# KiCad board analog_i.kicad_pcb (continued)
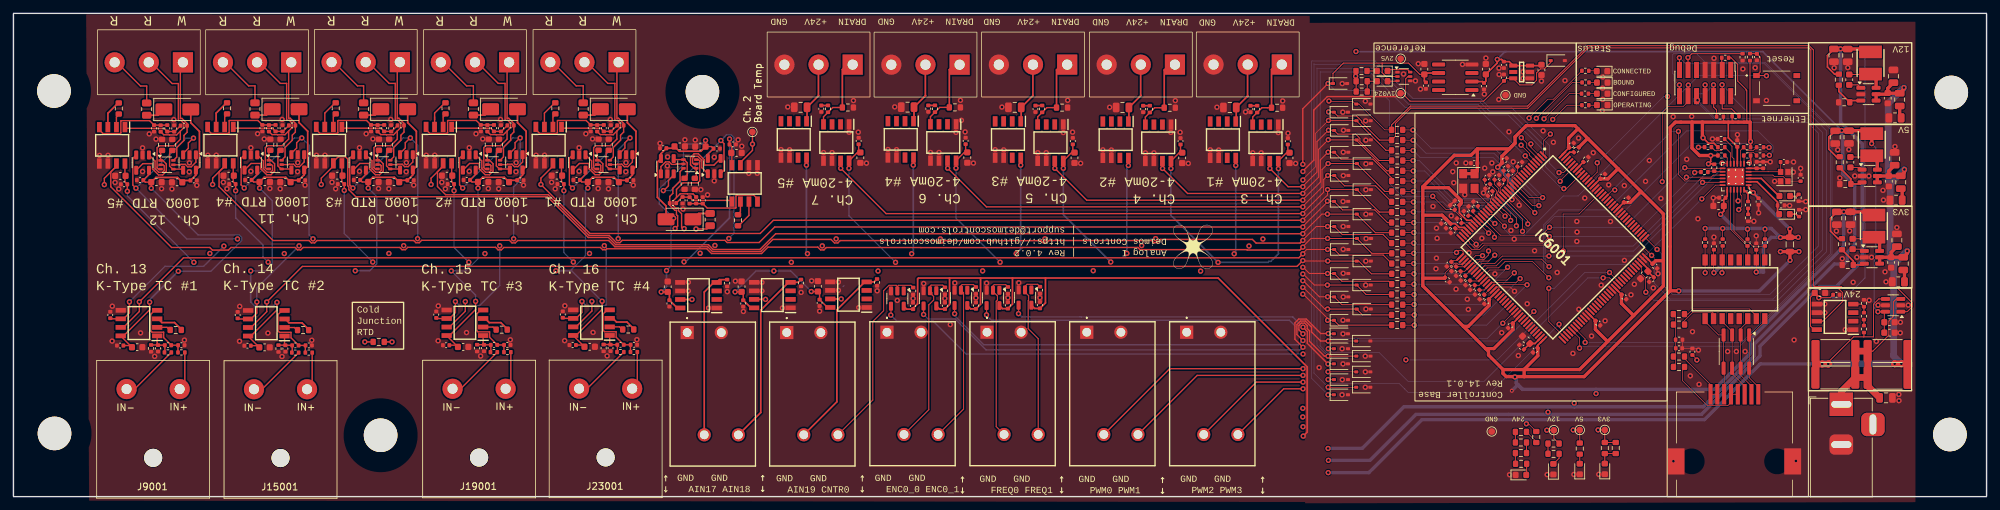
[diagram p0: board, top side]
## Routing (per net, layer and track width the routed paths; a pad name or vN(x,y) marks a point on that pad's centre or on a via; arc(x,y) is an arc through that point) (continued)
  Top w0.25: D13001.2 75,55.73 76.28,54.44 76.28,49.2 IC13003.5 75.76,47.94 74.95,47.13 74.01,47.13 73.73,46.86 73.02,47.58 69.81,47.58 C13006.2 ; R7029.2 199.77,63.4 199.77,62.72 v1(199.7,62.65) 199.77,62.57 R7030.2 ; R11003.1 271.23,50.65 270.1,51.78 ; U6002.2 218.59,61.85 C6048.2 219.07,61.92 C6049.2 220.77,64.62 v1(220.77,65.15) 220.78,65.14 221.42,65.14 C5009.2 222.55,64.82 IC5004.4 IC5004.3 227.21,64.22 C5012.2 ; D5001.2 91.34,55.73 92.62,54.44 92.62,49.2 IC5003.5 92.1,47.94 C5010.1 90.34,47.13 C5011.2 89.36,47.58 86.16,47.58 C5006.2 ; 96.49,30.5 96.5,30.5 C3006.2 97.6,30.25 C3005.2 98.77,28.1 IC3003.8 ; D25001.2 26.39,55.7 27.67,54.42 27.67,49.17 IC25003.5 27.15,47.92 C25010.1 25.39,47.11 C25011.2 24.41,47.56 21.2,47.56 C25006.2 ; D21001.2 42.5,55.73 43.78,54.44 43.78,49.2 IC21003.5 43.26,47.94 C21010.1 41.5,47.13 C21011.2 40.52,47.58 37.31,47.58 C21006.2 ; C17006.2 53.48,47.58 56.68,47.58 C17011.2 57.67,47.13 C17010.1 59.42,47.94 IC17003.5 59.95,49.2 59.95,54.44 58.66,55.73 D17001.2 ; IC3001.8 109.73,28.12 C3001.2 ; C4006.2 102.28,51.46 99.08,51.46 C4011.2 98.09,51.91 C4010.1 96.34,51.1 IC4003.5 95.81,49.84 95.81,44.6 97.1,43.31 D4001.2 ; C11011.1 270.1,53.55 ; 270.1,53.56 270.1,51.79
  Top w0.5: C11011.1 271.07,54.52 C11010.1 276.06,54.52 L11001.1 276.5,52.62 v1(276.47,52.6)
  In2.Cu w0.15: v1(232.22,13.92) 232.07,13.77 v1(232.07,9.92)
  In2.Cu w0.25: v1(199.7,62.65) 199.75,62.7 v1(199.75,66.32)
  In2.Cu w0.5: v1(195.6,7.17) 195.17,7.17 191.86,10.48
  In2.Cu w1: v1(191.87,10.41) 191.47,10.41 187.18,14.7 187.18,33.58 ; v1(24.53,33.58) 24.51,33.6 24.01,33.6 v1(176.63,33.6) 187.2,33.6
  Bottom w0.15: v1(276.47,52.6) 277.1,51.97 277.1,35.48 276.86,35.24 276.86,28.1 v1(277.41,27.55) ; 272.32,54.55 v1(272.02,54.55)
  Bottom w0.2: v1(87.59,29.11) 83.05,33.65 v1(80.71,33.65) 82.86,33.65 85.11,35.9 85.11,45.62 v1(85.46,45.97) ; v1(36.62,45.97) 38.5,44.09 38.5,34.61 37.52,33.63 v1(35.3,33.63) ; v1(52.78,45.97) 54.06,44.7 54.06,34.7 53.01,33.65 v1(50.86,33.65) ; v1(107.37,30.5) 110.48,33.62 v1(113.14,33.62) 115.65,33.62 v1(118.71,30.56) ; v1(68.76,29.09) 68.76,30.02 v1(65.15,33.63) 67.3,33.63 69.12,35.45 v1(69.12,45.97) ; v1(24.53,33.58) 29.38,33.58 33.94,38.14 33.94,38.64 33.59,38.99 27.47,38.99 v1(20.51,45.95) ; v1(97.17,33.68) 97.85,34.36 97.85,41.12 v1(98.22,41.49) 96.09,43.62 96.09,45.84 99.69,49.44 99.69,52.53 102.44,52.53 v1(102.97,53.06)
  Bottom w0.25: 199.72,66.27 199.77,66.32 v1(199.75,66.32) 199.75,66.3 222.07,66.3 ; v1(272.02,54.55) 260.27,66.3 222.07,66.3 ; 222.07,66.3 221.92,66.3 v1(220.77,65.15) ; v1(24.53,33.58) 20.26,29.31 v1(20.26,28.97) ; v1(97.17,33.68) 97.17,31.29 v1(96.38,30.5) ; v1(39.21,28.94) 38.64,28.37 35.95,28.37 35.3,29.02 v1(35.3,33.63)
  Bottom w0.5: v1(272.02,54.55) 272.02,53.52 272.17,53.37 272.17,48.12 273.95,46.34 273.95,37.5 272.85,36.4 272.85,35.15 272.35,34.65 270.92,34.65 259,22.72 259,20.95 251.42,13.37 232.22,13.37 ; 232.22,13.37 v1(232.22,13.92) ; 232.22,13.37 206.87,13.37 200.7,7.2 195.62,7.2 v1(195.6,7.17)
  vias: v1(128.64,33.61) v1(144.2,33.63) v1(160.66,33.66)
+12V: length 615.1
  Top w0.15: R7027.2 229.2,8.67 TP7001.1 v1(228.15,9.9) ; C8006.2 267.38,29.73 267.38,25.4 267.9,24.87 IC8001.8 ; C8006.2 268.18,30.35 v1(268.61,29.63) ; C8006.2 267.75,30.6 ; v1(268.61,29.63) 268.76,29.77 ; v1(268.61,29.63) 270.31,29.63 C8005.2
  Top w0.2: v1(16.95,45.5) 16.95,45.53 16.94,45.55 16.95,45.56 C25004.1 16.59,46.89 IC25001.8 ; v1(81.9,45.58) C5004.1 81.54,46.92 IC5001.8 ; 49.22,45.58 v1(49.22,45.62) C17004.1 48.86,46.92 IC17001.8 ; 106.54,53.46 C4004.1 106.89,52.12 IC4001.8 ; v1(33.05,45.58) C21004.1 32.7,46.92 IC21001.8 ; IC13001.8 65.2,46.92 C13004.1 v1(65.56,45.58) ; C18002.2 157.62,51.52 C18003.2 157.44,51.27 IC18001.8 v1(156.21,48.92) 156.2,48.93 ; C22002.2 141.67,51.55 C22003.2 141.49,51.3 IC22001.8 140.25,49.01 140.24,49 ; IC11001.8 189.43,51.25 C11003.2 189.61,51.5 C11002.2 ; 140.24,49 140.19,48.94 v1(140.24,48.94) 140.24,49 ; IC14001.8 173.46,51.25 C14003.2 173.64,51.5 C14002.2 ; 124.34,48.87 124.34,48.89 v1(124.31,48.92) 124.34,48.94 124.34,50.04 125.57,51.28 C26003.2 125.76,51.53 C26002.2
  Top w0.25: C12008.1 269.9,65.73 269.9,64.01 270.96,62.95 R12001.1
  Top w0.5: C12008.1 275.87,66.7 L12001.1
  In2.Cu w0.15: v1(228.32,12.57) 228.15,12.4 v1(228.15,9.9)
  In2.Cu w0.5: 191.82,11.94 192.09,11.94 196.35,7.68 196.35,6.1 v1(195.65,5.4)
  In2.Cu w1: 188.4,34.9 v1(179.23,34.9) 26.2,34.9 26.84,34.9 v1(26.85,34.91) ; 188.4,34.9 189.22,34.08 189.22,14.21 191.56,11.87 v1(191.83,11.87) ; 188.4,34.9 188.38,34.88
  Bottom w0.15: v1(268.61,29.63) 272.52,29.63 275.48,32.6 275.48,66.09 274.92,66.65 274.85,66.65 274.77,66.72 v1(271.85,66.72)
  Bottom w0.2: v1(37.9,34.93) 37.13,35.7 37.13,37.48 33.11,41.5 33.05,41.5 v1(33.05,45.58) ; v1(26.85,34.91) 16.95,44.81 v1(16.95,45.5) ; v1(83.31,34.95) 81.9,36.36 v1(81.9,45.58) ; v1(124.31,48.92) 124.31,41.84 v1(131.24,34.91) ; v1(65.56,45.58) 65.56,37.12 v1(67.75,34.93) ; v1(49.22,45.62) 49.22,39.19 v1(53.46,34.95) ; v1(146.8,34.93) 140.24,41.5 v1(140.24,48.94)
  Bottom w0.25: v1(99.77,34.98) 100.01,34.98 106.55,41.52 v1(106.55,53.3) ; v1(172.21,48.89) 172.21,41.92 v1(179.23,34.9) 186.65,34.9 186.8,35.05 187.07,35.05 188.21,36.19 v1(188.21,48.87) ; v1(156.21,48.92) 156.21,42.01 v1(163.26,34.96)
  Bottom w0.5: 195.6,5.42 195.62,5.4 v1(195.65,5.4) 201.82,5.4 208.67,12.25 228.37,12.25 ; 228.37,12.25 251.14,12.25 259.87,20.97 259.87,22.42 268.75,31.3 271.22,31.3 275.07,35.15 275.07,52.56 271.85,55.78 v1(271.85,66.72) ; 228.37,12.25 228.37,12.52 v1(228.32,12.57) 228.37,12.62 228.37,12.67
  vias: v1(115.74,34.92)
+24V: length 464.1
  Top w0.1: v1(225.11,10.85) 225.43,10.85 226.59,9.69
  Top w0.15: v1(270.02,19.77) 270.02,20.04 273.78,23.8 275.31,23.8 ; U8001.4 277.54,29.45 276.75,28.66 276.75,23.8 275.31,23.8 ; 275.31,23.8 275.33,23.83 R8006.1 275.17,24.3
  Top w0.25: 118.01,49.37 v1(117.98,49.39) IC32001.8 ; IC28001.8 133.92,49.43 v1(133.88,49.39) 133.92,49.36 133.92,49.25 133.91,49.25 ; v1(149.86,49.39) 149.86,49.42 149.87,49.44 149.87,49.48 149.86,49.5 149.87,49.5 IC24001.8 ; 165.91,49.39 165.89,49.41 165.89,49.6 165.91,49.62 165.89,49.64 IC20001.8
  Top w0.5: C12001.1 278.91,60.1 C12002.1 281.27,60.73 v1(281.27,60.95) 281.27,60.92 ; C12001.1 278.87,60.83 C12003.1 ; C12001.1 278.69,59.96 IC12001.5 IC12001.4 ; IC11002.4 IC11002.5 280.79,47.77 C11005.1 281.35,48.33 v1(281.35,48.75) ; C11006.1 279.03,48.52 C11004.1 ; 281.75,36.62 v1(281.77,36.6) 281.77,36.26 C10004.1 277.67,35.67 IC10001.5 IC10001.4 ; C10002.1 279.38,36.4 C10005.1
  Top w1: R8001.1 268.12,17.76 268.12,19.75 ; 270.12,19.75 270.05,19.75 v1(270.02,19.77) 270,19.75 269.15,19.75 v1(269.12,19.77) 269.1,19.75 268.12,19.75 ; R8002.1 281.81,19.77 ; 281.81,19.77 280.92,19.77 v1(280.9,19.8) 280.87,19.77 279.9,19.77 v1(279.9,19.8) 279.87,19.8 ; 281.81,19.77 R8004.1 ; 268.12,19.75 R8003.1
  In2.Cu w0.5: 191.83,13.22 196.95,8.1 196.95,4.9 v1(195.62,3.57)
  In2.Cu w1: v1(29.22,36.23) 29.17,36.18 28.52,36.18 v1(181.63,36.18) 189.81,36.18 190.6,35.39 190.6,14.39 v1(191.84,13.15)
  Bottom w0.15: 225.1,10.57 225.1,11.47
  Bottom w0.25: v1(181.86,49.34) 181.86,36.41 v1(181.63,36.18) ; v1(133.88,49.39) 133.88,36.44 v1(133.64,36.19) ; v1(149.86,49.39) 149.86,36.87 v1(149.2,36.21) ; v1(165.88,49.34) 165.66,49.12 v1(165.66,36.24) ; v1(117.98,49.39) 117.98,36.36 v1(118.14,36.2)
  Bottom w0.5: v1(195.62,3.57) 201.67,3.57 209.57,11.47 251.6,11.47 259.9,19.77 v1(269.12,19.77)
  Bottom w1: 279.73,34.56 279.73,20.96 v1(280.9,19.8) 269.15,19.8 v1(269.12,19.77) ; 279.73,34.56 v1(281.77,36.6) ; 279.73,34.56 279.22,35.07 279.22,43.77 279.25,43.8 279.25,46.65 ; 279.25,46.65 278.95,46.95 278.95,58.62 v1(281.27,60.95) ; 279.25,46.65 v1(281.35,48.75)
  vias: v1(40.3,36.21) v1(55.86,36.23) v1(70.15,36.21) v1(85.71,36.23) v1(102.17,36.26)
GND: length 28.3
  Top w0.1: IC6001.16 222.34,45.62 223.03,44.93 223.07,44.93 224.06,43.95 v1(224.04,43.42) 224.06,43.41 ; C7002.1 v1(265.9,48.91) 265.9,48.93 ; v1(250.7,21.83) 250.43,22.1 C7012.2 248.32,22.14 R7024.2 ; 264.73,48.36 v1(264.83,48.36) 264,48.36 ; C7010.1 v1(259.3,38.86) ; C7011.1 v1(253,38.66) ; v1(223.34,30.59) 222.71,31.22 220.65,31.22 IC6001.51 ; 262.95,47.01 v1(262.03,46.98) 262,47.01 ; C7001.1 v1(264.85,49.86)
  Top w0.15: IC8001.1 273.74,24.85
  Top w0.25: C7003.1 261.37,49.88 v1(261.38,49.89) ; 265.59,42.73 266.64,42.73 v1(266.67,42.76) ; C7006.1 v1(259.65,42.27) 259.64,42.28 ; C6024.1 C6022.1 ; R7010.1 v1(252.78,53.29) 252.77,53.3 ; R7019.2 v1(266.67,43.96) 266.62,44.01 ; v1(252.91,44.52) 252.92,44.51 C7009.1 ; v1(252.91,44.52) 252.89,44.54 ; v1(252.91,44.52) C7008.1 ; C7005.1 256.48,53.94 v1(256.5,53.94) 256.5,53.96 256.49,53.95 ; R7017.1 v1(258.95,41.02) 258.94,41.03 ; R7012.2 264.24,43.39 v1(264.27,43.36)
  Bottom w0.2: 123.57,31.43 123.45,31.31
  vias: v1(12.81,50.84) v1(14.07,50.85) v1(14.71,28.37) v1(14.69,23.17) v1(15.12,46.81) v1(15.66,45.84) v1(18.91,24.4) v1(19.21,51.97) v1(19.21,48.44) v1(20.21,54.05) v1(21.01,20.9) v1(21.21,53.27) v1(22.04,45.88) v1(23.58,45.84) v1(23.86,56.17) v1(25.43,23.32) v1(26.18,49.73) v1(26.16,48.39) v1(27.28,46.38) v1(28.92,50.86) v1(30.18,50.88) v1(31.23,46.83) v1(31.77,45.86) v1(33.64,23.15) v1(33.66,28.34) v1(35.32,52) v1(35.32,48.47) v1(36.32,54.07) v1(37.32,53.3) v1(37.86,24.37) v1(38.15,45.91) v1(39.69,45.86) v1(39.97,56.19) v1(39.96,20.87) v1(42.3,49.76) v1(42.27,48.42) v1(43.39,46.41) v1(44.39,23.29) v1(45.08,50.86) v1(46.34,50.88) v1(47.39,46.83) v1(47.93,45.86) v1(51.48,52) v1(51.48,48.47) v1(52.48,54.07) v1(53.48,53.3) v1(54.31,45.91) v1(55.85,45.86) v1(56.13,56.19) v1(58.43,48.42) v1(58.46,49.76) v1(59.55,46.41) v1(61.42,50.86) v1(62.68,50.88) v1(63.21,28.41) v1(63.19,23.22) v1(63.73,46.83) v1(64.27,45.86) v1(67.41,24.44) v1(67.82,52) v1(67.82,48.47) v1(68.82,54.07) v1(69.51,20.94) v1(69.82,53.3) v1(70.65,45.91) v1(72.19,45.86) v1(72.47,56.19) v1(73.94,23.37) v1(74.8,49.76) v1(74.77,48.42) v1(75.89,46.41) v1(77.76,50.86) v1(79.02,50.88) v1(80.07,46.83) v1(80.61,45.86) v1(82.03,28.44) v1(82.01,23.24) v1(84.16,52) v1(84.16,48.47) v1(85.16,54.07) v1(86.16,53.3) v1(86.23,24.46) v1(86.99,45.91) v1(88.34,20.96) v1(88.53,45.86) v1(88.81,56.19) v1(91.14,49.76) v1(91.11,48.42) v1(92.23,46.41) v1(92.76,23.39) v1(96.2,52.64) v1(97.32,50.62) v1(97.3,49.28) v1(99.62,42.84) v1(99.9,53.17) v1(100.41,31.95) v1(100.41,30.66) v1(101.44,53.14) v1(102.27,45.75) v1(103.27,44.97) v1(103.43,28.1) v1(104.27,50.57) v1(104.27,47.05) v1(106.21,30.54) v1(107.41,32.11) v1(107.82,53.17) v1(108.36,52.2) v1(108.61,27.59) v1(109.41,48.17) v1(110.67,48.17) v1(111.36,31.93) v1(111.36,30.65) v1(114.2,51.7) v1(114.41,28.1) v1(115.2,58.06) v1(115.48,51.68) v1(117.19,30.43) v1(118.75,32.15) v1(119.94,27.63) v1(120.53,51.26) v1(121.8,51.26) v1(122.74,31.99) v1(122.74,30.74) v1(124.34,54.3) v1(124.98,59.01) v1(125.7,54.3) v1(125.76,28.16) v1(126.92,49.68) v1(128.51,30.66) v1(130.12,51.72) v1(131.12,58.07) v1(131.4,51.69) v1(131.5,29.23) v1(133.86,29.52) v1(135.43,31.75) v1(136.45,51.28) v1(137.71,51.28) v1(138.58,29.52) v1(139.39,25.63) v1(140.06,31.84) v1(140.24,54.27) v1(140.9,59.05) v1(141.04,56.06) v1(141.6,54.35) v1(142.83,49.69) v1(143.2,29.6) v1(144.79,31.81) v1(146.07,51.69) v1(147.07,58.04) v1(147.34,51.67) v1(147.96,29.63) v1(149.58,31.86) v1(152.4,51.25) v1(152.72,29.64) v1(153.66,51.25) v1(156.21,54.25) v1(156.85,59.05) v1(157.58,54.31) v1(158.78,49.67) v1(162.09,51.67) v1(163.09,58.02) v1(163.37,51.64) v1(168.42,51.22) v1(169.68,51.22) v1(172.21,54.27) v1(172.87,59.01) v1(173.58,54.28) v1(174.8,49.64) v1(178.06,51.67) v1(179.06,58.02) v1(179.34,51.64) v1(183.32,57.31) v1(184.39,51.22) v1(185.65,51.22) v1(188.19,54.25) v1(188.84,58.96) v1(189.63,54.14) v1(190.77,49.64) v1(194.27,19.22) v1(197.71,61.54) v1(197.69,22.03) v1(197.72,17.42) v1(197.68,15.17) v1(197.79,57.28) v1(197.83,43.97) v1(197.82,26.27) v1(197.82,24.25) v1(197.82,19.77) v1(197.89,54.59) v1(197.86,51.31) v1(197.87,47.83) v1(197.85,40.25) v1(197.85,36.84) v1(197.85,33.26) v1(197.86,29.75) v1(201.13,20.92) v1(201.14,16.29) v1(201.15,58.92) v1(201.19,55.99) v1(201.22,53.11) v1(201.23,49.59) v1(201.22,45.73) v1(201.23,42.08) v1(201.21,35.08) v1(201.19,31.51) v1(201.23,27.95) v1(201.15,18.58) v1(201.26,38.44) v1(206.82,62.97) v1(208.6,61.95) v1(209.02,64.5) v1(209.35,60.73) v1(211.21,43.24) v1(211.73,39.99) v1(211.72,35.53) v1(211.65,33.95) v1(211.82,38.48) v1(213.93,41.84) v1(214.15,48.42) v1(214.3,46.77) v1(214.64,30.91) v1(214.67,49.72) v1(215.6,64.4) v1(215.94,44.98) v1(216.1,49.72) v1(216.32,29.41) v1(216.47,27.89) v1(216.58,36.34) v1(218.48,38.48) v1(218.72,45.25) v1(218.85,59.98) v1(218.9,48.95) v1(219.08,65.35) v1(219.96,49.71) v1(220.1,48.4) v1(220.42,33.19) v1(221.02,63.85) v1(221,59.17) v1(221.05,62.9) v1(221.43,24.42) v1(222.51,54.36) v1(222.59,3.26) v1(222.81,39.65) v1(223.15,49.9) v1(223.3,38.37) v1(223.91,21.01) v1(224.6,63.3) v1(224.62,62.32) v1(225.23,28.73) v1(226.32,36.63) v1(227.35,61.92) v1(227.6,54.5) v1(228.2,3.27) v1(229.12,52.8) v1(229.69,33.39) v1(230.85,62) v1(232.03,21.33) v1(232.17,3.3) v1(232.61,41) v1(232.64,39.42) v1(232.61,38.02) v1(232.87,53.42) v1(232.91,27.9) v1(233.79,44.48) v1(234.8,23.92) v1(235.06,51.24) v1(235.87,3.31) v1(236.24,31.5) v1(236.41,57.53) v1(236.48,62.53) v1(236.46,60.86) v1(236.47,59.19) v1(236.82,26.19) v1(237.35,46.45) v1(237.62,40.99) v1(239.68,46.34) v1(239.69,35.19) v1(240.67,30.07) v1(241.17,31.64) v1(242.83,46.98) v1(243.4,50.08) v1(243.99,31.09) v1(244.69,33.21) v1(245.12,44.44) v1(246.95,56.61) v1(246.98,5.27) v1(248.96,50.26) v1(249.5,18) v1(249.7,56.65) v1(249.82,24.57) v1(250.62,41.4) v1(250.8,16.72) v1(253.02,65.31) v1(255.05,21.62) v1(256.35,21.62) v1(257.32,63.72) v1(257.65,21.62) v1(259.15,63.91) v1(260.82,59.03) v1(264.94,23.34) v1(265.2,5.31) v1(269.5,28.7) v1(269.5,27.4) v1(270.9,63.9) v1(271.23,39.57) v1(271.42,51.67) v1(271.74,47.49) v1(272.1,35.46) v1(272.55,24.88) v1(272.92,63.92) v1(273.08,51.72) v1(273.2,39.59) v1(273.73,31.93) v1(273.96,47.78) v1(274.27,35.67) v1(276.06,47.76) v1(276.1,29.25) v1(276.46,35.66) v1(277.18,23.13) v1(277.43,28.53) v1(278.16,45.63) v1(278.23,44.19) v1(278.46,33.5) v1(278.61,32.01) v1(279.95,52.16) v1(280.22,40.1) v1(280.52,15.22) v1(280.54,14.29) v1(280.73,24.4) v1(280.76,25.98) v1(281.93,28.53)
/analog_frontend/AIN2: length 112.5
  Top w0.1: 195.65,56.02 v1(195.65,56.05) 193.72,54.12 193.72,49.13 191.84,47.25
  Top w0.15: R6003.1 204.22,51.6 199.83,55.99 D1002.1 195.68,56.01 v1(195.65,56.05)
  Top w0.2: TP3001.1 109.96,54.33 v1(109.96,52.53) 109.96,51.59 108.16,49.79 IC4001.7
  In1.Cu w0.2: v1(191.85,47.18) 113.54,47.18 112.44,48.28 112.44,50.05 v1(109.96,52.53)
/analog_frontend/AIN3: length 27.5
  Top w0.15: R6007.1 203.17,50.08 200.33,52.92 200.33,53.39 199.7,54.02 197.05,54.02 D1003.1 196.47,54.6 v1(195.65,54.6) 193.95,52.9 193.95,48.36 191.83,46.24
  Top w0.2: v1(191.84,46.17) 189.66,46.17 v1(186.94,48.89)
/analog_frontend/AIN4: length 43.3
  Top w0.15: R6008.1 204.35,48.55 199.86,53.04 D1004.1 195.64,53.15 v1(195.62,53.17) 194.2,51.75 194.2,47.61 191.83,45.24
  Top w0.2: v1(170.97,48.89) 174.69,45.17 v1(191.84,45.17)
/analog_frontend/AIN5: length 59
  Top w0.15: R6004.1 205.05,47.5 202.26,50.28 197.54,50.28 D1005.1 196.5,51.32 v1(195.6,51.32) 194.45,50.17 194.45,46.86 191.83,44.24
  Top w0.2: v1(191.84,44.17) 159.69,44.17 v1(154.94,48.92)
/analog_frontend/AIN6: length 74.3
  Top w0.15: 191.83,43.24 194.7,46.11 194.7,48.72 v1(195.6,49.62) D1006.1 204.04,45.47 R6005.1
  Top w0.2: v1(191.84,43.17) 144.77,43.17 v1(139,48.94)
/analog_frontend/AIN7: length 89.8
  Top w0.15: 191.83,42.24 194.95,45.36 194.95,47.25 v1(195.55,47.85) 196.51,47.85 D1007.1 198.06,46.31 202.66,46.31 R6006.1
  Top w0.2: v1(123.08,48.93) 129.84,42.17 v1(191.84,42.17)
/analog_frontend/AIN8: length 138
  Top w0.15: R6009.1 203.22,42.4 D1008.1 195.53,45.74 v1(195.52,45.75) 195.52,44.93 191.83,41.24
  Top w0.2: v1(191.84,41.17) 113.07,41.17 111.11,39.21 85.78,39.21 v1(78.48,46.51) 78.48,47.45 80.27,49.25 IC5001.7
/analog_frontend/AIN9: length 156.9
  Top w0.15: 191.83,40.24 195.5,43.91 v1(195.5,44.02) 196.46,44.02 D1009.1 197.76,42.72 202.54,42.72 204.43,40.83 R6010.1
  Top w0.2: 63.93,49.25 62.14,47.45 v1(62.14,46.51) ; 63.93,49.25 63.09,48.41 63.09,46.2 64.31,44.98 79.58,44.98 85.65,38.91 88.65,38.91 89.73,37.83 90.23,37.83 90.58,38.18 105.87,38.18 106.19,37.86 110.95,37.86 113.26,40.17 v1(191.84,40.17) ; 63.93,49.25 IC13001.7
/analog_frontend/AIN10: length 173.9
  Top w0.15: R6011.1 202.65,39.32 D1010.1 195.5,42.09 v1(195.5,42.1) 194.69,42.1 191.83,39.24
  Top w0.2: v1(45.8,46.51) 45.8,47.45 47.59,49.25 ; v1(191.84,39.17) 113.41,39.17 111.06,36.82 104.12,36.82 103.41,37.53 89.61,37.53 88.53,38.61 85.53,38.61 79.46,44.68 50.95,44.68 49.9,45.73 49.9,46.16 49.74,46.32 49.74,50.3 49.41,50.62 48.31,50.62 47.59,49.9 47.59,49.25 ; 47.59,49.25 IC17001.7
/analog_frontend/AIN11: length 190.9
  Top w0.15: R6012.1 203.78,39.04 197.72,39.04 D1011.1 196.51,40.25 v1(195.52,40.25) 193.84,40.25 191.83,38.24
  Top w0.2: v1(29.64,46.51) 29.64,47.45 31.43,49.25 ; v1(191.84,38.17) 191.45,37.78 184.88,37.78 184.34,38.32 170.66,38.32 170.18,37.84 169.68,37.84 169.36,38.16 154.07,38.16 153.72,37.81 153.22,37.81 152.89,38.14 138.51,38.14 138.16,37.79 137.66,37.79 137.3,38.15 123.01,38.15 122.66,37.8 122.16,37.8 121.64,38.32 112.98,38.32 111.18,36.52 104,36.52 103.29,37.23 89.48,37.23 88.55,38.16 75.02,38.16 74.67,37.81 74.17,37.81 73.8,38.18 60.73,38.18 60.38,37.83 59.88,37.83 59.55,38.16 45.17,38.16 44.82,37.81 44.32,37.81 43.97,38.16 38.62,38.16 30.59,46.2 30.59,48.41 31.43,49.25 ; 31.43,49.25 IC21001.7
/analog_frontend/AIN12: length 205.8
  Top w0.15: R6013.1 202.11,36.25 D1012.1 195.53,38.46 v1(195.52,38.47) 193.06,38.47 191.83,37.24
  Top w0.2: 15.32,49.22 13.53,47.43 v1(13.53,46.48) ; 15.32,49.22 14.48,48.38 14.48,46.17 23.53,37.12 29.21,37.12 29.6,36.73 31.98,36.73 32.37,37.12 41.9,37.12 42.25,36.77 42.75,36.77 43.1,37.12 57.48,37.12 57.81,36.79 58.31,36.79 58.66,37.14 71.73,37.14 72.1,36.77 72.6,36.77 72.95,37.12 87.33,37.12 87.66,36.79 88.16,36.79 88.3,36.93 103.16,36.93 103.87,36.22 111.31,36.22 112.26,37.17 119.68,37.17 120.09,36.76 120.59,36.76 120.94,37.11 135.01,37.11 135.02,37.1 150.12,37.1 150.14,37.12 167.29,37.12 167.61,36.8 183.52,36.8 183.58,36.74 191.41,36.74 v1(191.84,37.17) ; 15.32,49.22 IC25001.7
/analog_frontend/AIN13: length 195.6
  Top w0.15: R6014.1 203.79,36 197.33,36 D1013.1 v1(195.52,36.82) 192.41,36.82 191.83,36.24
  Top w0.2: v1(191.84,36.17) 191.25,35.58 25.29,35.58 v1(18.73,29.02) 18.73,27.58 16.37,25.22 IC9001.7
/analog_frontend/AIN14: length 176
  Top w0.15: R6015.1 202.06,33.2 200.17,35.09 D1014.1 195.55,35.09 v1(195.55,35.1) 191.97,35.1 191.83,35.24
  Top w0.2: IC15001.7 35.32,25.19 37.69,27.56 v1(37.69,29) 42.99,34.3 190.97,34.3 v1(191.84,35.17)
/analog_frontend/AIN15: length 147.4
  Top w0.15: R6016.1 204.64,32.09 197.66,32.09 D1015.1 195.53,33.24 v1(195.52,33.25) 192.82,33.25 191.83,34.24
  Top w0.2: v1(67.23,29.06) 67.23,27.63 64.87,25.26 64.46,25.26
  In1.Cu w0.2: v1(191.84,34.17) 190.55,34.17 189.14,35.58 73.75,35.58 v1(67.23,29.06)
/analog_frontend/AIN16: length 131.5
  Top w0.15: R6017.1 201.25,30.12 D1016.1 v1(195.5,31.52) 193.55,31.52 191.83,33.24
  Top w0.2: v1(86.06,29.09) 86.06,27.65 83.7,25.29 IC23001.7
  In1.Cu w0.2: v1(86.06,29.09) 86.06,29.72 91.3,34.96 98.86,34.96 99.44,34.38 100.12,34.38 100.67,34.93 114.71,34.93 115.32,34.32 116.2,34.32 116.83,34.95 130.12,34.95 130.76,34.31 131.79,34.31 132.47,34.99 145.67,34.99 146.33,34.33 147.4,34.33 148.06,34.99 162.21,34.99 162.84,34.36 164.13,34.36 164.63,34.86 178.21,34.86 179.9,33.17 v1(191.84,33.17)
/analog_frontend/AIN17: length 112.7
  Top w0.15: 191.83,32.24 194.3,29.77 v1(195.52,29.77) 196.48,29.77 D1017.1 197.65,28.6 R6018.1
  Top w0.25: v1(191.84,32.17) 191.69,32.01 ; IC3003.7 v1(100.96,29.37) 100.95,29.38
  In1.Cu w0.25: v1(191.84,32.17) 179.62,32.17 177.56,34.22 165.15,34.22 164.48,33.56 162.56,33.56 161.65,34.47 148.52,34.47 147.73,33.68 145.9,33.68 145.11,34.47 132.99,34.47 132.28,33.76 130.18,33.76 129.7,34.24 117.03,34.24 116.54,33.75 114.86,33.75 114.27,34.34 106.06,34.34 101.09,29.37 v1(100.96,29.37)
/analog_frontend/AIN18: length 100.3
  Top w0.15: 191.83,31.24 195.12,27.95 v1(195.52,27.95) 195.53,27.94 D1018.1 200.73,27.07 R6019.1
  Top w0.25: IC3001.7 v1(111.9,29.39)
  In1.Cu w0.2: v1(111.9,29.39) 115.73,33.22 116.78,33.22 117.16,33.6 127.35,33.6 127.94,33.01 132.31,33.01 132.87,33.57 143.21,33.57 143.75,33.03 148.49,33.03 149.13,33.67 159.8,33.67 160.71,32.76 175,32.76 176.59,31.17 v1(191.84,31.17)
/analog_frontend/AIN19: length 88.9
  Top w0.15: 191.83,30.24 195.52,26.55 v1(195.52,26.27) D1019.1 197.19,25.55 R6020.1
  Top w0.25: IC3002.7 v1(123.16,29.45)
  In1.Cu w0.2: v1(191.84,30.17) 176.28,30.17 174.36,32.09 160.29,32.09 159.29,33.09 149.58,33.09 148.94,32.45 143.41,32.45 142.77,33.09 133.25,33.09 132.38,32.22 125.93,32.22 v1(123.16,29.45)
/analog_frontend/COUNTER0: length 121.9
  Top w0.1: IC6001.96 237.48,32.59 v1(236.53,32.59) ; D1025.1 195.61,22.03 195.6,22.04
  Top w0.15: U3005.4 130.56,27.08 v1(130.53,27.05)
  In2.Cu w0.2: v1(195.63,22.03) 194.9,21.31 191.86,21.31
  Bottom w0.1: v1(195.63,22.03) 196.19,21.47 203.2,21.47 207.55,17.12 218.77,17.12 234.24,32.59 v1(236.53,32.59)
  Bottom w0.2: v1(191.87,21.24) 141.74,21.24 136.82,26.16 131.42,26.16 v1(130.53,27.05)
/analog_frontend/COUNTER0_PRE: length 30
  Top w0.15: R3005.1 133.53,31.49 131.69,31.49 131.51,31.31 ; J3006.4 127.86,14.4 127.86,26.09 129.47,27.7 129.47,30.68 130.27,31.49 131.34,31.49 131.51,31.31 ; 131.51,31.31 U3005.2
/analog_frontend/ENCODER0_0: length 101
  Top w0.1: IC6001.60 223.37,27.61 v1(221.6,25.83)
  Top w0.15: v1(135.42,27.14) 135.41,27.15 U3002.4 ; v1(195.62,24.3) 195.66,24.26 D1020.1
  Top w0.2: v1(191.86,22.25) 190.66,23.45 190.66,25.89 191.22,26.45 192.36,26.45 194.51,24.3 v1(195.62,24.3)
  Bottom w0.1: 221.58,25.84 221.6,25.86 v1(221.6,25.83) 221.57,25.83 219.26,23.52 196.4,23.52 v1(195.62,24.3)
  Bottom w0.2: v1(191.86,22.25) 191.47,21.86 144.71,21.86 140.11,26.46 136.1,26.46 v1(135.42,27.14)
/analog_frontend/ENCODER0_0_PRE: length 26.6
  Top w0.15: R3008.1 138.27,31.51 136.54,31.51 136.36,31.34 U3002.2 136.66,30.38 136.66,30.07 136.91,29.82 136.91,29.29 136.19,28.57 136.19,12.94 J3004.3
/analog_frontend/ENCODER0_1: length 103.3
  Top w0.1: 226.19,27.56 226.22,27.59 v1(226.22,27.58) 226.21,27.58 224.81,26.19 IC6001.64 ; D2001.1 v1(195.6,23.18)
  Top w0.15: U3001.4 140.02,27.26 v1(140.03,27.25)
  Top w0.2: v1(195.6,23.18) 194.49,23.18 193.14,24.53 193.14,25.24 192.23,26.15 191.49,26.15 190.96,25.62 190.96,24.15 v1(191.86,23.25)
  Bottom w0.1: v1(195.6,23.18) 221.82,23.18 v1(226.22,27.58)
  Bottom w0.2: v1(191.86,23.25) 191.23,22.62 144.38,22.62 140.03,26.97 v1(140.03,27.25)
/analog_frontend/ENCODER0_1_PRE: length 26.3
  Top w0.15: J3004.4 141.37,13.04 141.37,30.35 U3001.2 140.97,31.41 141.15,31.59 142.84,31.59 R3009.1
/analog_frontend/FREQ0: length 156.6
  Top w0.1: v1(230.68,45.89) 231.08,45.89 IC6001.136 IC6001.137
  Top w0.15: v1(195.58,20.93) 195.58,20.93 D1026.1 ; U3004.4 144.79,27.09 v1(144.78,27.08)
  Top w0.2: v1(195.58,20.93) 195.05,20.93 192.84,23.14 192.84,24.69 192.5,25.03 192.5,25.46 192.11,25.85 191.61,25.85 191.26,25.5 191.26,24.85 v1(191.86,24.25)
  Bottom w0.1: v1(195.58,20.93) 193.95,22.56 193.95,63.85 193.97,63.82 202.22,63.82 207.62,58.42 217.91,58.42 219.45,56.88 222.38,56.88 227.45,51.81 227.45,48.8 230.34,45.91 v1(230.68,45.89) 230.66,45.91
  Bottom w0.2: v1(191.86,24.25) 189.83,26.28 145.51,26.28 144.78,27.01 v1(144.78,27.08)
/analog_frontend/FREQ0_PRE: length 25.4
  Top w0.15: R3007.1 147.63,31.57 145.92,31.57 145.74,31.4 U3004.2 145.74,30.56 146.4,29.9 146.4,29.3 146.22,29.11 146.22,10.43 J3005.3
/analog_frontend/FREQ1: length 134.8
  Top w0.1: v1(195.58,19.76) 195.6,19.76 195.61,19.76 ; 195.63,19.79 195.61,19.76 ; 195.61,19.76 196.44,19.76 D1027.1 ; IC6001.5 226.19,49.51 v1(224.93,50.77)
  Top w0.15: U3003.4 149.55,27.27 v1(149.54,27.26)
  Top w0.2: v1(191.86,25.25) 192.5,24.61 192.5,22.84 v1(195.58,19.76)
  Bottom w0.1: v1(195.58,19.76) 196.13,20.3 196.13,21.16 195.8,21.48 195.4,21.48 194.42,22.46 194.42,63.3 194.45,63.27 201.8,63.27 207.11,57.96 217.74,57.96 v1(224.93,50.77)
  Bottom w0.2: 158.73,26.78 158.89,26.78 ; 158.89,26.78 150.02,26.78 v1(149.54,27.26) ; 158.89,26.78 190.33,26.78 v1(191.86,25.25)
